# Altium PCB EVB-NORA-B20.PcbDoc (part 4 of 6) (continued)
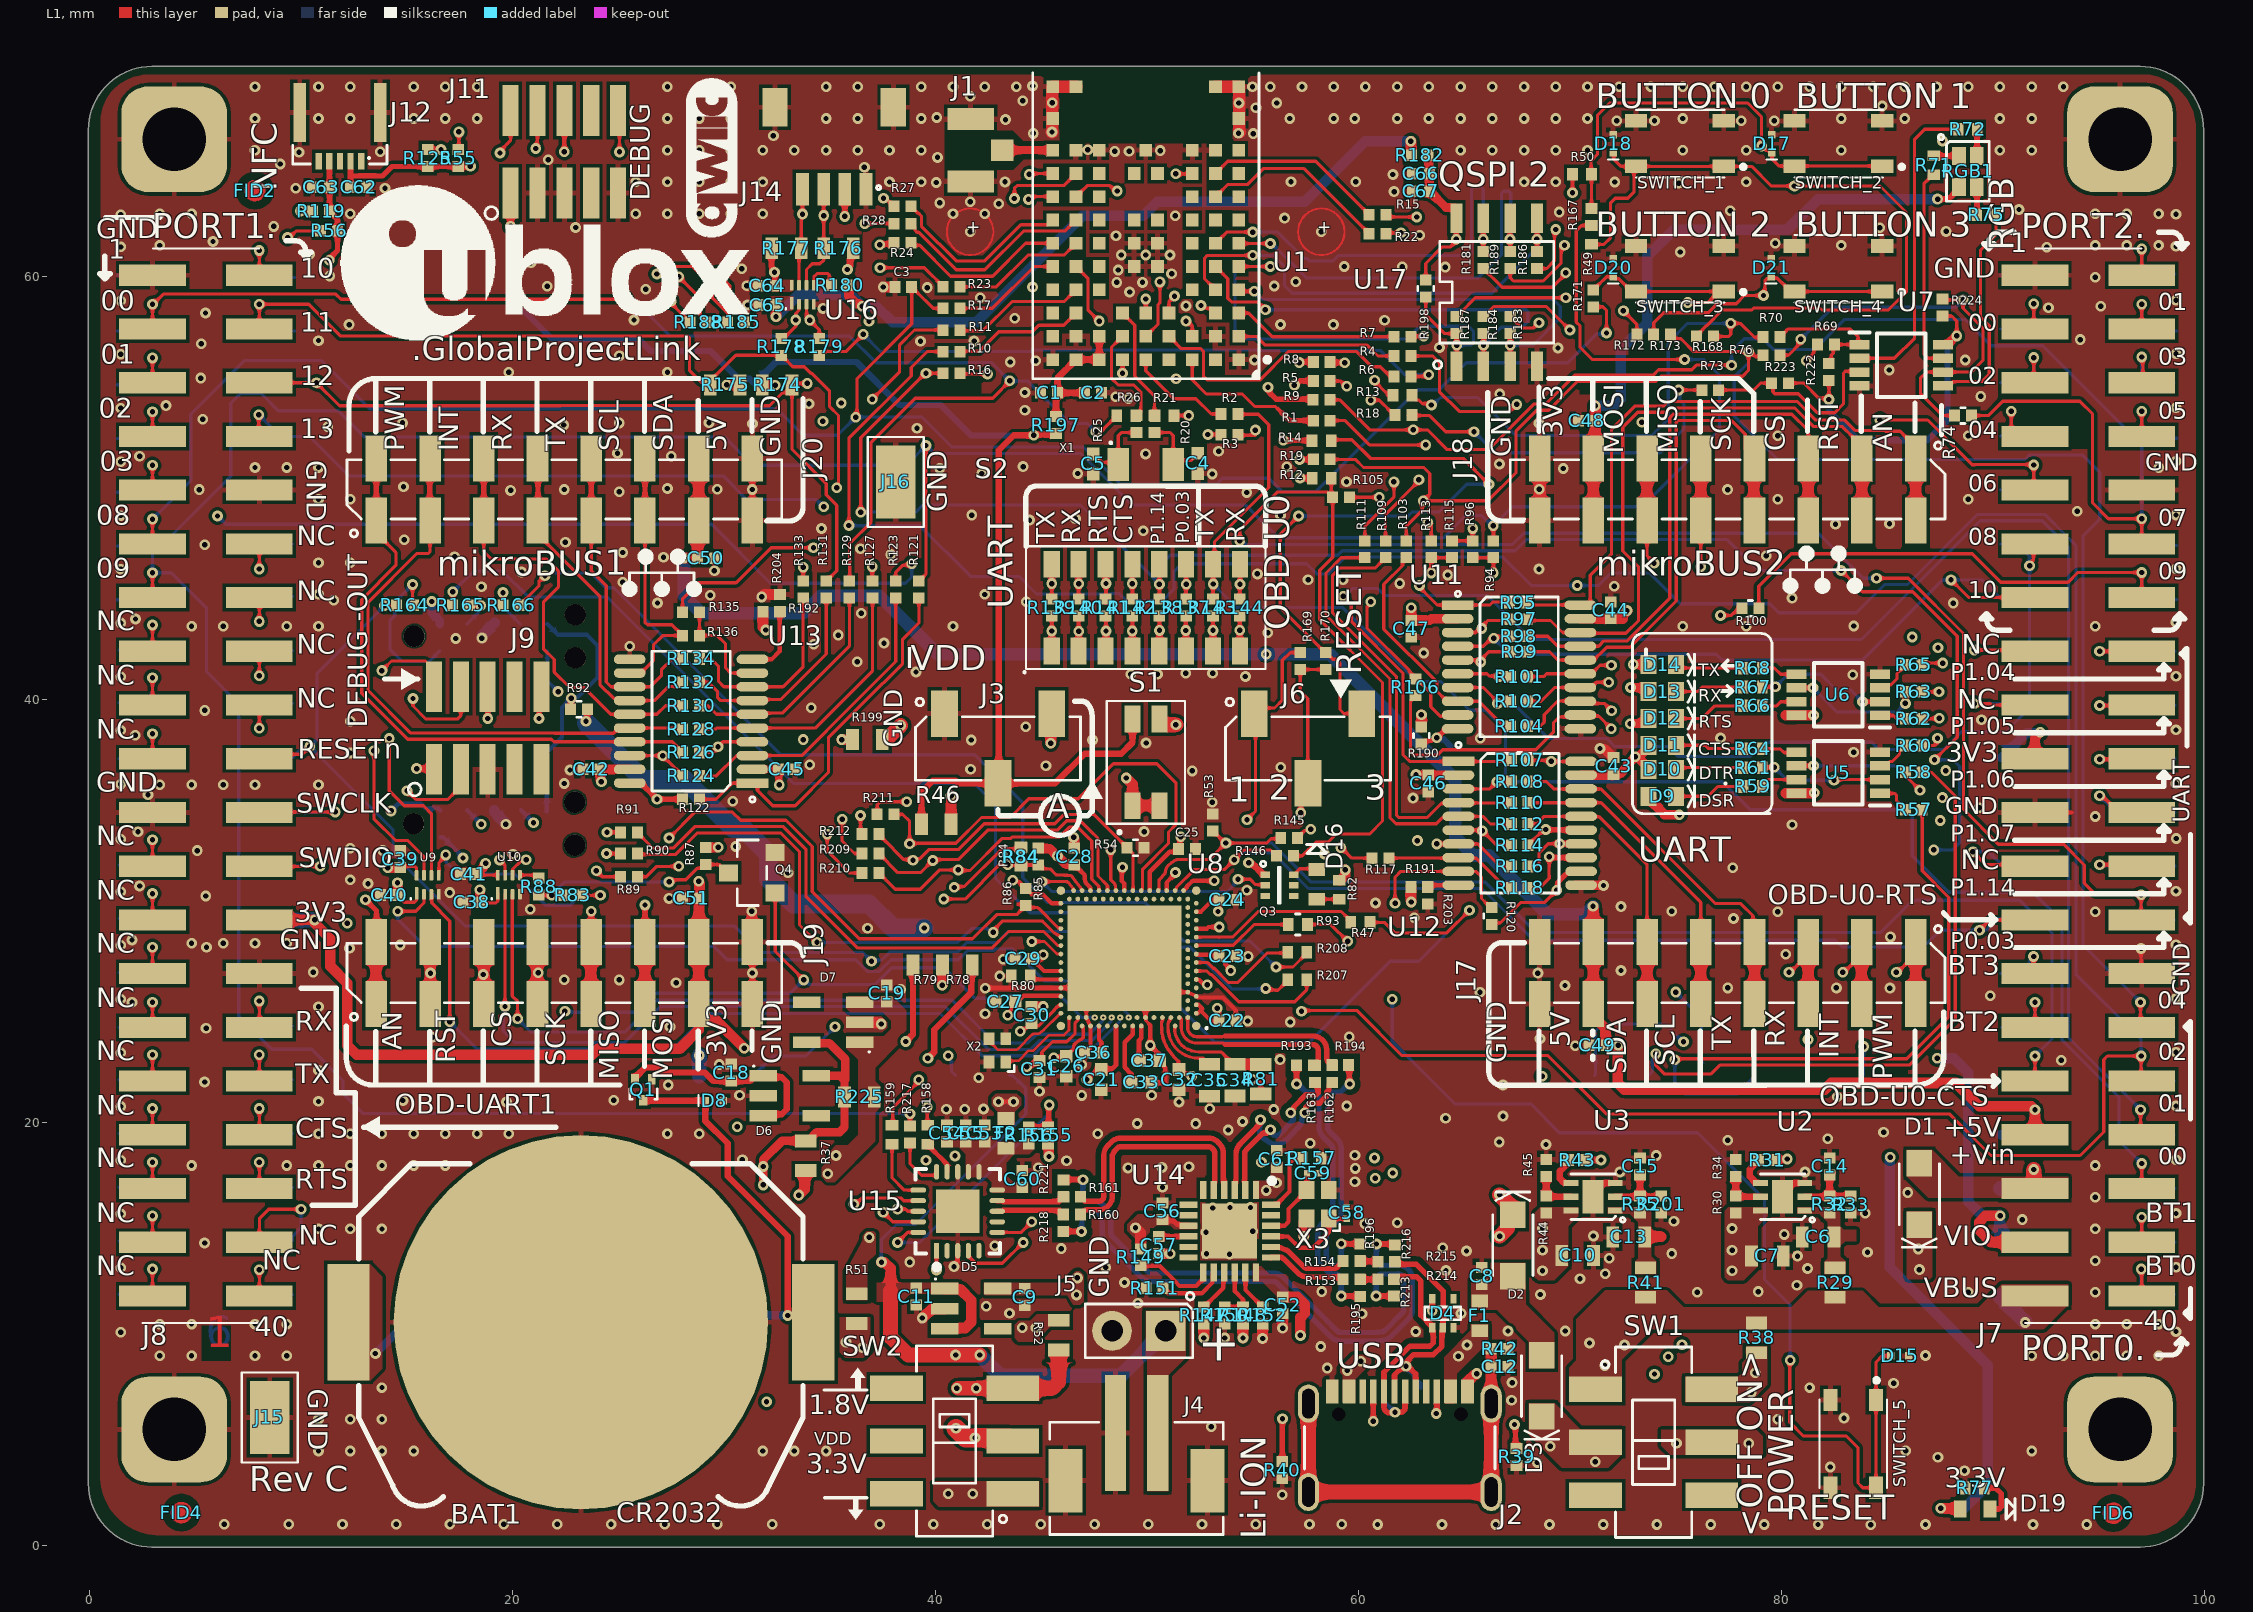
[diagram p0: L1 view]
## Nets (pads, with @x,y where several pads share a name; then routed paths per layer and width w, separated by ;. In a path a pad name is that pad's centre, name@x,y a point inside that pad or via, vN(x,y) a via of type N, cw(c..) or ccw(c..) an arc to the next point about the centre after c; other vN are vias at no path point) (continued)
nRESET-F: D15.1 J6.2 R169.2 R170.2 SWITCH_5.1 SWITCH_5.2 | length 66.6
  L1 w0.15: v1(57.26,34.66) 57.26,35.697 J6.2@57.607,36.044 57.596,36.055 57.596,40.06 57.24,40.416 R169.2@57.24,41.43 R170.2@58.447,41.43 ; v1(80.408,8.777) 80.38,8.749 80.38,5.833 81.023,5.19 83.06,5.19 83.61,4.64 83.61,2.97 83.837,2.743 SWITCH_5.2@84.46,2.743 SWITCH_5.1@84.46,6.893 84.46,8.686 84.755,8.981 D15.1@85.16,8.981
  L4 w0.15: v1(57.26,34.66) 56.934,34.334 56.934,29.504 60.597,25.84 v1(61.59,25.84)
  L6 w0.15: v1(61.59,25.84) 61.59,23.856 64.556,20.89 68.133,20.89 69.493,19.53 76.02,19.53 79.194,16.356 79.194,12.591 80.4,11.385 v1@80.4,8.795
OB_H_USB_n: R153.2 R195.1 R214.1 | length 0.8
  L1 w0.255: R153.2@60.067,12.597 60.069,12.595 60.903,12.595 R214.1@60.905,12.597
OB_H_USB_p: R154.2 R196.1 R215.1 | length 0.9
  L1 w0.255: R196.1@60.071,13.475 60.093,13.452 60.883,13.452 R215.1@60.905,13.43
OBD_n: R163.1 R193.1 U8.B4 | length 8.4
  L1 w0.15: 53.569,23.766 cw(c53.569,23.616) 53.675,23.722
  L1 w0.153: U8.B4@51.523,24.976 cw(c51.523,24.885) 51.614,24.885 51.614,24.502 ccw(c52.35,24.502) 52.35,23.766 53.569,23.766
  L1 w0.255: 53.696,23.698 57.826,23.698 cw(c57.826,23.443) 58.081,23.451 58.095,23.03 cw(c57.84,23.022) 58.095,23.026 ; R163.1@57.934,22.698 58.081,22.83 58.094,23.003 ccw(c57.84,23.022) 58.095,23.025
OBD_p: R162.1 R194.1 U8.B2 | length 8.5
  L1 w0.15: 53.569,24.069 ccw(c53.569,24.219) 53.675,24.113
  L1 w0.153: U8.B2@51.917,24.976 51.917,24.502 ccw(c52.35,24.502) 52.35,24.069 53.569,24.069
  L1 w0.2: U8.B2@51.917,24.976 U8.B2@51.923,24.976
  L1 w0.255: 53.696,24.103 cw(c53.696,23.698) 53.698,24.103 57.826,24.103 cw(c57.826,23.443) 58.486,23.465 58.5,23.043 cw(c57.84,23.022) 58.5,23.032 cw(c58.095,23.025) 58.5,23.03 ; 58.5,23.029 ccw(c58.755,23.032) 58.599,22.83 R162.1@58.747,22.698
OBD_USB_n: R193.2 R195.2 | length 13.6
  L1 w0.255: v1(57.066,21.83) R193.2@57.066,22.724 ; v1(59.177,11.81) 59.185,11.801 60.062,11.801 R195.2@60.071,11.792
  L6 w0.255: v1(57.066,21.83) 57.134,21.83 57.511,21.453 57.871,21.453 cw(c57.871,21.198) 58.126,21.198 58.126,19.796 ccw(c58.786,19.796) 58.319,19.329 58.438,19.211 ; 58.382,15.339 58.263,15.221 ccw(c58.73,14.754) 58.07,14.754 58.07,13.69 ccw(c58.73,13.691) 58.264,13.224 58.455,13.033 ccw(c58.922,13.5) 58.919,12.84 ccw(c58.922,13.245) 58.922,12.84 cw(c58.922,12.585) 59.177,12.585 v1(59.177,11.81) ; 58.382,15.34 58.578,15.536 ; 58.438,19.211 58.578,19.071 ; 58.579,15.536 58.697,15.655 ccw(c58.517,15.835) 58.772,15.835 58.772,18.772 ccw(c58.517,18.772) 58.696,18.953 58.579,19.07
OBD_USB_p: R194.2 R196.2 | length 13
  L1 w0.255: v1(59.177,14.275) R196.2@60.071,14.275 ; R194.2@59.531,22.733 59.556,22.708 59.556,21.855 v1(59.581,21.83)
  L6 w0.255: 58.921,13.245 cw(c58.922,13.5) 58.742,13.319 58.55,13.511 cw(c58.73,13.691) 58.475,13.69 58.475,14.754 cw(c58.73,14.754) 58.55,14.935 58.667,15.052 ccw(c58.382,15.34) 58.668,15.053 58.865,15.25 ccw(c58.578,15.536) 58.866,15.251 58.983,15.368 ccw(c58.517,15.835) 59.177,15.835 59.177,18.772 ccw(c58.517,18.772) 58.983,19.238 58.866,19.356 ccw(c58.578,19.071) 58.865,19.357 58.724,19.497 ccw(c58.438,19.211) 58.723,19.498 58.606,19.616 cw(c58.786,19.796) 58.531,19.796 58.531,21.198 cw(c58.786,21.198) 58.786,21.453 59.136,21.453 59.513,21.83 v1(59.581,21.83) ; 58.922,13.245 ccw(c58.922,13.5) 59.177,13.5 v1(59.177,14.275)
OE: Q4.3 R83.2 R87.1 R88.1 | length 10.4
  L1 w0.15: R88.1@21.24,30.767 21.248,30.759 v1(21.844,30.759) 22.432,30.759 R83.2@22.439,30.752 ; v1(27.397,31.388) 27.495,31.486 28.189,31.486 28.731,32.029 28.949,32.029 R87.1@29.134,32.214 29.769,32.214 Q4.3@30.165,31.818 ; Q4.3@30.152,31.818 Q4.3@30.165,31.818 ; Q4.3@30.215,31.818 Q4.3@30.165,31.818
  L6 w0.15: v1(21.844,30.759) 22.473,31.388 v1(27.397,31.388)
P0.00/D_TX: J7.36 R2.1 R108.2 R143.2 S2.10 TP80.1 U12.3 | length 80.1
  L1 w0.15: R143.2@53.111,44.774 v1@53.111,45.509 ; S2.10@53.111,46.406 53.178,46.473 53.178,47.458 55.753,50.033 55.753,53.003 55.257,53.499 R2.1@54.321,53.499 ; v1@53.12,45.459 v1(53.12,45.47) S2.10@53.12,46.403 ; U12.3@64.718,35.784 66.199,35.784 66.536,36.122 v1(66.539,36.122) 67.206,36.122 R108.2@67.218,36.133 ; J7.36@97.025,16.918 v1(97.025,18.076)
  L6 w0.15: v1@53.111,45.47 54.225,44.356 59.252,44.356 62.747,40.861 63.884,40.861 65.241,39.504 66.008,39.504 66.944,38.569 66.944,36.526 v1(66.539,36.122) 77.191,36.122 78.517,34.796 85.869,34.796 86.178,34.486 86.178,32.618 87.896,30.9 91.879,30.9 93.26,29.519 93.26,23.903 95.95,21.213 95.95,19.151 v1(97.025,18.076) 97.025,17.39 97.525,16.89 TP80.1@98.599,16.89
P0.01/D_RX: J7.34 R3.1 R107.2 R144.2 S2.9 TP78.1 U12.1 | length 99.6
  L1 w0.15: R3.1@54.295,52.531 54.322,52.505 55.113,52.505 55.113,52.744 v1(55.119,52.75) ; R144.2@54.381,44.759 v1@54.381,45.494 ; v1(54.39,45.459) S2.9@54.39,46.403 ; v1(59.271,44.886) 59.271,44.851 59.65,44.473 59.65,43.706 62.09,41.266 62.09,37.41 62.416,37.084 U12.1@64.718,37.084 67.165,37.084 R107.2@67.218,37.138 ; v1(96.971,20.617) 96.971,19.484 J7.34@97.025,19.43
  L3 w0.15: v1(54.39,45.459) 54.39,46.42 55.43,47.46 55.43,51.316 55.1,51.646 55.1,52.731 v1(55.119,52.75)
  L4 w0.15: v1@54.39,45.45 54.399,45.45 54.964,44.886 v1(59.271,44.886)
  L6 w0.15: v1(59.271,44.886) 59.323,44.886 59.689,45.252 60.896,45.252 61.222,44.926 66.081,44.926 68.157,42.85 83.774,42.85 89.385,48.461 92.324,48.461 93.56,47.225 93.56,24.028 v1(96.971,20.617) 96.971,19.931 97.471,19.431 TP78.1@98.545,19.431
P0.02/SW2: J7.32 R10.1 R50.1 R133.2 R145.2 R158.2 R172.2 TP76.1 | length 209.5
  L1 w0.15: R133.2@33.735,45.605 v1(33.735,46.27) ; v1(35.9,48.24) 35.9,52.361 38.843,55.304 38.843,55.709 39.594,56.46 R10.1@40.346,56.46 ; v1(39.606,20.746) 39.606,19.914 R158.2@39.63,19.89 ; R145.2@57.117,33.465 57.117,33.48 57.448,33.812 57.662,33.812 v1(57.73,33.88) ; v1(57.298,25.276) 57.333,25.311 59.907,25.311 62.036,23.181 68.945,23.181 71.708,20.418 87.932,20.418 89.9,18.45 94.11,18.45 95.225,19.565 95.225,22.98 95.402,23.157 v1(96.996,23.157) J7.32@96.996,21.999 ; v1(70.11,63.966) R50.1@70.11,64.84 ; v1(72.517,58.392) 73.15,57.759 R172.2@73.15,57.269
  L3 w0.15: v1(33.735,46.27) 34.434,46.27 35.9,47.736 v1(35.9,48.24) ; v1(57.298,25.276) 57.298,33.528 57.65,33.88 v1(57.73,33.88) ; v1@70.16,63.958 72.517,61.602 v1(72.517,58.392) 72.517,56.86 70.336,54.679 v1@70.336,45.424
  L4 w0.15: v1(39.606,20.746) 39.669,20.684 39.669,20.431 39.934,20.165 46.542,20.165 47.923,21.546 47.923,22.207 49.836,24.12 49.935,24.12 49.952,24.137 56.933,24.137 57.298,24.502 v1(57.298,25.276)
  L6 w0.15: v1@35.91,48.23 39.257,48.23 41.657,45.83 43.939,45.83 44.77,45 48.239,45 48.255,45.016 48.689,45.016 49.013,44.692 50.737,44.692 51.262,45.217 51.262,46.06 51.631,46.429 57.535,46.429 58.014,45.949 58.561,45.949 59.354,46.742 66.816,46.742 68.154,45.404 v1(70.336,45.404) 71.341,45.404 71.934,45.997 73.742,45.997 75.205,44.534 79.434,44.534 79.854,44.115 83.533,44.115 84.868,45.45 85.95,45.45 89.261,48.761 92.448,48.761 93.446,47.763 93.91,47.299 93.91,27.023 96.996,23.937 v1(96.996,23.157) 96.996,22.471 97.496,21.971 TP76.1@98.57,21.971
P0.03/WAKE_UP: J7.26 R12.2 R105.2 R137.2 R146.2 S2.11 TP70.1 | length 93
  L1 w0.15: R137.2@51.829,44.756 v1@51.829,45.491 ; v1(51.85,45.459) S2.11@51.85,46.403 ; v1(54.381,47.521) 54.381,48.038 56.17,49.827 58.501,49.827 58.557,49.771 58.589,49.771 58.707,49.652 R12.2@58.707,50.471 58.707,50.521 R12.2@58.882,50.696 ; R146.2@56.912,32.619 57.331,32.619 57.986,33.275 58.557,33.275 58.932,33.649 59.338,33.649 ; R105.2@58.774,49.571 58.774,46.735 58.157,46.118 58.157,43.787 61.13,40.814 61.13,34.267 60.512,33.649 59.34,33.649 ; v1(84.487,45.747) 85.982,45.747 88.598,43.13 88.598,42.881 88.6,42.879 88.6,38.111 88.598,38.109 88.598,34.819 90.247,33.17 93.328,33.17 94.31,32.188 94.31,31.33 94.81,30.83 96.943,30.83 v1@97.025,30.748 ; v1(96.996,30.777) 96.996,29.619 J7.26@97.025,29.59
  L3 w0.15: v1(51.85,45.459) 51.85,46.219 53.083,47.453 54.313,47.453 v1(54.381,47.521)
  L6 w0.15: v1(54.381,47.521) 54.469,47.521 54.648,47.342 67.269,47.342 67.798,47.871 81.727,47.871 83.851,45.747 v1(84.487,45.747) ; v1(96.996,30.777) 96.996,30.091 97.496,29.591 TP70.1@98.57,29.591
P0.04/LED_GREEN: J7.30 R19.2 R76.2 R103.2 R135.2 R173.2 TP73.1 | length 124.2
  L1 w0.15: R135.2@28.036,44.14 28.036,44.782 28.785,45.531 30.566,45.531 32.223,47.188 v1(34.223,47.188) ; R19.2@58.657,51.365 59.847,51.365 60.231,50.98 63.076,50.98 63.36,50.696 63.36,49.71 v1(63.06,49.41) ; R103.2@62.252,47.514 62.252,48.205 62.992,48.945 62.992,49.342 v1(63.06,49.41) ; R173.2@74.75,57.269 74.75,57.254 74.935,57.069 75.242,57.069 75.85,56.461 v1(78.431,56.461) ; R76.2@79.124,56.294 79.061,56.232 78.757,56.232 78.528,56.461 v1(78.431,56.461) ; J7.30@96.968,24.539 v1(96.968,25.697) ; v1(63.06,49.41) 66.112,49.41 67.443,50.741 67.443,52.709 68.422,53.688 68.982,53.688 70.341,55.046 74.048,55.046 74.301,55.299 78.154,55.299 78.431,55.575 v1(78.431,56.461)
  L4 w0.15: v1(34.223,47.188) 35.267,47.188 35.7,47.62 48.788,47.62 50.038,48.87 53.982,48.87 55.43,47.422 60.518,47.422 62.506,49.41 v1(63.06,49.41)
  L6 w0.15: v1(78.431,56.461) 78.431,55.94 77.762,55.27 77.762,53.405 79.808,51.359 91.506,51.359 91.723,51.576 94.217,51.576 95.043,50.749 95.043,48.533 94.24,47.73 94.24,28.425 v1(96.968,25.697) 96.968,25.011 97.468,24.511 TP73.1@98.542,24.511
P1.00: J8.3 R26.1 R129.2 TP86.1 | length 67.4
  L1 w0.15: J8.3@2.975,57.53 v1(2.975,58.701) 3.009,58.701 3.488,59.18 11.641,59.18 11.886,58.934 25.335,58.934 v1(25.346,58.945) ; R129.2@35.924,45.605 35.94,45.621 35.94,47.388 36.95,48.398 36.95,52.179 39.027,54.256 42.699,54.256 v1@43.564,55.121 ; v1@47.667,52.698 47.833,52.698 R26.1@48.568,53.433
  L3 w0.15: v1@47.581,52.579 v1(47.581,52.665)
  L6 w0.15: TP86.1@1.305,57.431 2.407,57.431 2.975,57.999 v1(2.975,58.701) ; v1(25.346,58.945) 25.36,58.931 25.709,58.931 27.447,57.193 35.929,57.193 37.191,55.931 42.645,55.931 43.51,55.067 44.359,55.067 46.364,53.062 47.184,53.062 v1(47.581,52.665)
  other v1: 43.5,55.076
P1.01: J8.5 R21.1 R127.2 TP89.1 | length 73.2
  L1 w0.15: J8.5@2.975,54.959 J8.5@2.975,54.99 v1(2.975,56.161) ; v1(37.004,46.293) 37.004,45.619 R127.2@37.018,45.605 ; R21.1@51.271,53.433 v1(51.968,53.435) v1(51.968,53.435)
  L3 w0.15: v1(36.85,57.889) 37.23,57.509 37.23,56.188 36.503,55.461 36.503,53.755 37.21,53.048 37.21,46.56 37.004,46.354 v1(37.004,46.293)
  L4 w0.15: v1(2.975,56.161) 6.887,56.161 9.586,58.86 12.43,58.86 13.693,60.123 25.575,60.123 26.308,60.855 33.341,60.855 36.307,57.889 v1(36.85,57.889) 42.926,57.889 43.763,58.726 47.691,58.726 50.563,55.855 50.563,54.32 51.448,53.435 v1(51.968,53.435)
  L6 w0.15: TP89.1@1.305,54.891 2.407,54.891 2.975,55.459 v1(2.975,56.161)
P1.02: J8.7 R55.1 TP91.1 | length 28.8
  L1 w0.15: J8.7@2.975,52.419 J8.7@2.975,52.45 v1(2.975,53.621) ; R55.1@17.429,66.009 17.461,66.04 v1(17.461,66.848)
  L3 w0.15: v1(2.975,53.621) 2.38,54.216 2.38,59.367 7.669,64.657 9.969,64.657 12.16,66.848 v1(17.461,66.848)
  L6 w0.15: TP91.1@1.305,52.351 2.407,52.351 2.975,52.919 v1(2.975,53.621)
P1.02/NFC1: C62.2 J12.2 R55.2 R125.2 U1.C5 | length 44.6
  L1 w0.15: U1.C5@49.936,58.281 v1(49.936,58.945)
  L1 w0.25: C62.2@12.325,64.223 12.325,64.767 12.745,64.767 12.751,64.773 13.499,64.773 13.505,64.767 13.851,64.767 14.293,65.209 R125.2@15.987,65.209 R55.2@17.429,65.209 17.438,65.217 18.012,65.217 v1@18.02,65.209 ; 12.336,64.767 J12.2@12.336,65.459
  L4 w0.15: v1(18.004,65.225) 17.935,65.157 17.935,64.767 17.845,64.677 17.845,62.784 18.965,61.665 28.916,61.665 29.305,62.053 36.138,62.053 37.165,61.027 37.704,61.027 38.743,59.988 47.429,59.988 48.802,58.615 49.606,58.615 v1(49.936,58.945)
P1.03: J8.9 R56.1 TP93.1 | length 20.1
  L1 w0.15: J8.9@2.975,49.879 J8.9@2.975,49.91 v1(2.975,51.081) ; v1(9.361,61.855) 9.458,61.855 9.758,62.155 10.896,62.155 R56.1@10.92,62.179
  L3 w0.15: v1(2.975,51.081) 4.229,52.335 4.229,54.375 4.223,54.381 4.223,58.685 7.393,61.855 v1(9.361,61.855)
  L6 w0.15: TP93.1@1.305,49.811 2.407,49.811 2.975,50.379 v1(2.975,51.081)
P1.03/NFC2: C63.1 J12.4 R56.2 R119.2 U1.B5 | length 50.4
  L1 w0.15: U1.B5@49.936,57.181 50.511,57.756 50.511,58.674 50.603,58.766 v1(50.603,59.756)
  L1 w0.25: J12.4@11.336,65.459 11.336,64.234 C63.1@11.347,64.223 R119.2@11.347,63.236 ; v1@11.341,60.79 v1(11.336,60.785) 11.336,60.854 11.72,61.238 R56.2@11.72,62.179 11.72,62.714 11.574,62.86 11.559,62.86 11.347,63.072 R119.2@11.347,63.087
  L4 w0.15: v1(11.336,60.785) 11.752,61.201 35.648,61.201 36.572,60.277 36.572,59.782 37.848,58.506 43.119,58.506 43.639,59.026 47.816,59.026 48.608,58.234 50.187,58.234 50.603,58.65 v1(50.603,59.756)
P1.04/URT1_TX: J7.16 R28.2 R139.2 S2.16 TP60.1 | length 93.1
  L1 w0.15: v1(36.647,62.513) 38.031,62.513 R28.2@38.043,62.501 ; R139.2@45.491,44.756 v1(45.491,45.491) ; v1(95.031,42.29) J7.16@97.025,42.29
  L1 w0.25: v1@45.481,45.491 S2.16@45.481,46.407 ; R139.2@45.491,44.711 R139.2@45.491,44.756
  L3 w0.15: v1(36.647,62.513) 36.647,61.892 36.584,61.829 36.584,59.346 37.605,58.325 37.605,55.773 41.05,52.328 41.05,50.98 45.491,46.539 v1(45.491,45.491) ; v1(86.178,42.966) 86.194,42.95 94.371,42.95 v1(95.031,42.29)
  L4 w0.15: v1(45.491,45.491) 46.454,46.454 59.51,46.454 63.641,42.323 63.641,42.076 66.371,39.346 66.862,39.346 68.51,39.346 74.984,32.872 82.058,32.872 84.94,35.754 84.94,40.348 86.178,41.586 v1(86.178,42.966)
  L6 w0.15: v1(95.031,42.29) TP60.1@98.599,42.29
P1.05/URT1_RX: J7.18 R27.2 R140.2 S2.15 TP62.1 | length 93.3
  L1 w0.15: v1@37.533,63.726 37.613,63.726 37.8,63.539 37.858,63.539 38.043,63.354 R27.2@38.043,63.339 ; R140.2@46.761,44.74 v1@46.761,45.476 ; v1(95.031,39.726) 97.001,39.726 J7.18@97.025,39.75
  L1 w0.25: v1@46.753,45.494 S2.15@46.753,46.438 ; R140.2@46.761,44.711 R140.2@46.761,44.756
  L3 w0.15: v1(37.533,63.716) 37.165,63.348 37.165,61.985 36.884,61.704 36.884,59.47 37.905,58.449 37.905,55.897 39.115,54.687 46.761,47.041 v1(46.761,45.479) ; v1(87.392,42.457) 88.327,42.457 91.057,39.726 v1(95.031,39.726)
  L4 w0.15: v1(46.761,45.479) 47.384,46.101 49.637,46.101 49.936,45.802 49.936,44.832 50.407,44.361 56.493,44.361 62.104,38.75 68.538,38.75 74.717,32.572 82.235,32.572 85.27,35.607 85.27,40.08 87.331,42.141 87.331,42.395 v1(87.392,42.457)
  L6 w0.15: v1(95.031,39.726) 95.043,39.739 98.587,39.739 TP62.1@98.599,39.75
P1.06/URT1_RTS: J7.20 R23.1 R141.2 S2.14 TP64.1 | length 87.9
  L1 w0.15: v1(37.373,60.428) 39.459,60.428 40.346,59.541 R23.1@40.346,59.526 ; R141.2@48.055,44.759 v1(48.055,45.494) ; v1(95.031,37.187) 97.002,37.187 J7.20@97.025,37.21
  L1 w0.25: R141.2@48.031,44.604 R141.2@48.031,44.756 ; v1@48.035,45.485 S2.14@48.035,46.429
  L3 w0.15: v1(37.373,60.428) 40.606,57.195 40.606,53.697 48.055,46.247 v1(48.055,45.494) ; v1(87.497,34.29) 87.497,34.332 87.018,34.811 87.018,35.731 87.314,36.027 93.872,36.027 v1(95.031,37.187)
  L4 w0.15: v1(48.055,45.494) 48.031,45.47 48.031,44.161 48.431,43.761 56.019,43.761 62.67,37.11 67.188,37.11 73.08,31.218 84.521,31.218 87.497,34.194 v1(87.497,34.29)
  L6 w0.15: v1(95.031,37.187) 95.043,37.199 98.587,37.199 TP64.1@98.599,37.21
P1.07/URT1_CTS: J7.22 R24.1 R142.2 S2.13 TP65.1 | length 84.6
  L1 w0.15: v1@49.293,45.488 S2.13@49.293,46.431 ; R142.2@49.301,44.724 v1@49.301,45.46 ; v1(95.031,35.465) 95.099,35.396 95.224,35.396 95.95,34.67 J7.22@97.025,34.67
  L1 w0.25: v1@37.373,61.526 37.401,61.554 37.927,61.554 38.009,61.636 R24.1@38.043,61.602 ; R142.2@49.301,44.711 R142.2@49.301,44.756
  L3 w0.15: v1(37.363,61.506) 39.223,61.506 41.146,59.583 41.146,54.849 49.301,46.693 v1(49.301,45.491) ; v1@87.558,35.465 87.581,35.442 87.843,35.442 87.866,35.465 v1(95.031,35.465)
  L4 w0.15: v1(49.301,45.491) 49.301,44.343 49.583,44.061 56.369,44.061 63.02,37.41 67.312,37.41 73.204,31.518 83.818,31.518 87.599,35.299 v1(87.599,35.374)
  L6 w0.15: v1(95.031,35.465) 95.826,34.67 TP65.1@98.599,34.67
P1.08/EXTREF: C3.2 J8.11 R17.1 R171.2 TP94.1 | length 95
  L1 w0.15: J8.11@2.975,47.339 J8.11@2.975,47.37 v1(2.975,48.541) ; v1(36.219,53.362) 36.285,53.428 36.285,55.19 38.869,57.774 C3.2@38.869,59.514 ; C3.2@38.877,59.505 38.877,59.49 39.054,59.314 39.069,59.314 39.879,58.504 R17.1@40.346,58.504 ; R171.2@71.095,58.579 71.548,58.579 71.716,58.411 v1(71.716,57.342)
  L6 w0.15: TP94.1@1.305,47.271 2.407,47.271 2.975,47.839 v1(2.975,48.541) 4.78,50.346 4.78,53.496 7.331,56.047 10.946,56.047 11.844,55.148 13.236,53.757 32.496,53.757 33.748,52.505 35.362,52.505 v1(36.219,53.362) 39.355,53.362 40.773,51.944 46.992,51.944 48.74,50.196 53.281,50.196 53.556,50.47 55.757,50.47 56.394,49.833 57.973,49.833 62.798,54.658 63.814,54.658 65.09,55.934 69.882,55.934 71.237,57.288 71.662,57.288 v1(71.716,57.342)
P1.09/SW1: J8.13 R11.1 R49.1 R94.2 R121.2 R167.2 R217.1 TP97.1 | length 180.2
  L1 w0.15: J8.13@2.975,44.799 J8.13@2.975,44.83 v1(2.975,46.001) ; v1(37.004,54.213) 38.297,55.506 38.297,56.778 39.002,57.483 40.331,57.483 R11.1@40.346,57.468 ; R217.1@38.79,19.84 v1(38.79,20.431) ; R121.2@39.206,45.605 39.221,45.605 39.406,45.79 39.406,45.805 39.546,45.944 v1(39.546,52.022) ; R94.2@66.369,47.514 v1(66.369,48.23) ; R167.2@71.008,62.426 70.544,62.426 70.29,62.172 70.29,57.857 70.467,57.68 70.467,56.661 71.04,56.087 v1(75.41,56.087)
  L3 w0.15: v1(37.004,54.213) 39.181,52.035 39.533,52.035 v1(39.546,52.022)
  L4 w0.15: v1(38.79,20.431) v1@38.816,20.406
  L6 w0.15: TP97.1@1.305,44.731 2.407,44.731 2.975,45.299 v1(2.975,46.001) ; v1(38.79,20.431) 12.929,20.431 11.973,21.387 11.973,22 10.5,23.473 8.612,23.473 7.05,25.034 7.05,39.797 5.529,41.317 5.529,44.326 3.855,46.001 v1(2.975,46.001) ; v1(75.41,56.087) 76.314,56.087 77.063,55.338 77.063,52.779 73.408,49.124 67.263,49.124 v1(66.369,48.23) 66.307,48.23 65.828,48.709 65.066,48.709 64.017,47.66 56.209,47.66 54.667,49.201 49.31,49.201 46.868,51.644 39.924,51.644 v1(39.546,52.022) 38.613,51.09 31.343,51.09 30.004,52.429 12.986,52.429 11.749,53.666 8.925,53.666 8.101,54.49 7.142,54.49 6.673,54.021 6.673,50.564 2.975,46.866 v1(2.975,46.001)
P1.10/LED_BLUE: J8.2 R18.2 R73.2 R123.2 TP85.1 | length 101.5
  L1 w0.15: J8.2@8.025,60.039 J8.2@8.025,60.07 v1(8.025,61.241) ; R123.2@38.112,45.605 38.112,46.021 38.453,46.362 38.8,46.362 v1(38.869,46.43) ; R18.2@62.344,53.436 63.353,53.436 64.115,52.674 v1(65.457,52.674) ; v1(75.132,54.647) R73.2@76.13,54.647
  L3 w0.15: v1(6.046,48.689) 6.046,59.262 v1(8.025,61.241)
  L4 w0.15: v1(38.869,46.43) 38.883,46.43 39.473,47.02 62.703,47.02 65.468,49.785 65.468,52.662 v1(65.457,52.674)
  L6 w0.15: v1(6.046,48.689) 6.441,48.295 29.409,48.295 32.193,45.51 38.576,45.51 38.869,45.803 v1(38.869,46.43) ; v1(8.025,61.241) 8.025,60.539 8.593,59.971 TP85.1@9.695,59.971 ; v1(65.457,52.674) 66.455,51.675 74.255,51.675 75.384,52.805 75.384,53.964 75.18,54.168 75.18,54.598 v1(75.132,54.647)
P1.11/I2C_SCL: J8.4 R1.1 R109.2 R117.2 R175.1 R178.2 TP87.1 | length 100.9
  L1 w0.15: J8.4@8.025,57.53 v1(8.025,58.701) 10.367,58.701 11.875,57.193 28.28,57.193 28.367,57.105 28.367,55.559 28.913,55.013 29.218,55.013 R175.1@29.35,54.881 29.35,55.081 30.556,56.287 R178.2@32.705,56.287 32.72,56.287 32.905,56.102 32.905,56.087 33.249,55.743 33.793,55.743 34.1,55.436 34.134,55.436 34.985,54.585 34.985,53.861 35.406,53.44 35.406,50.287 35.395,50.276 35.395,50.088 v1(35.327,50.02) ; R1.1@58.684,53.199 59.358,53.199 60.509,52.048 v1(63.174,52.048) ; v1@59.204,32.988 59.68,32.512 R117.2@60.636,32.512 ; R109.2@61.273,47.514 61.273,48.764 62.85,50.341 v1(62.85,50.398)
  L3 w0.15: v1(59.157,33.01) 59.225,33.078 59.408,33.078 59.63,33.3 59.63,42.34 61.06,43.77 61.06,48.608 v1(62.85,50.398) 63.174,50.723 v1(63.174,52.048)
  L4 w0.15: v1(35.327,50.02) 35.378,50.071 53.63,50.071 55.678,48.022 58.171,48.022 59.899,49.75 59.899,50.099 61.848,52.048 v1(63.174,52.048)
  L6 w0.15: v1(8.025,58.701) 8.025,57.999 8.593,57.431 TP87.1@9.695,57.431
P1.12/I2C_SDA: J8.6 R6.1 R111.2 R131.2 R174.1 R179.2 TP90.1 | length 82.1
  L1 w0.15: J8.6@8.025,54.99 v1(10.725,54.99) 11.813,53.901 22.255,53.901 22.26,53.907 28.996,53.907 29.002,53.901 32.144,53.901 32.772,54.529 32.984,54.529 33.209,54.754 R174.1@33.209,54.881 ; v1(33.936,54.957) 33.285,54.957 R174.1@33.209,54.881 ; R179.2@34.567,56.356 34.683,56.472 35.775,56.472 v1(36.58,57.277) ; R131.2@34.83,45.605 35.327,46.103 35.327,49.186 34.83,49.684 34.83,50.22 33.209,51.841 R174.1@33.209,54.881 ; R111.2@60.294,47.514 60.294,48.21 61.667,49.583 v1(61.667,50.298) ; R6.1@62.475,55.284 63.14,55.284 63.222,55.366 v1(63.319,55.366)
  L3 w0.15: v1(61.667,50.298) 62.071,50.701 62.071,53.091 62.961,53.981 62.961,54.135 63.44,54.614 63.44,55.148 63.319,55.269 v1(63.319,55.366)
  L4 w0.15: v1(33.936,54.957) 36.187,57.209 36.511,57.209 v1(36.58,57.277)
  L6 w0.15: TP90.1@9.546,54.99 v1@10.724,54.99 ; v1(36.58,57.277) 37.39,56.467 44.491,56.467 44.566,56.542 55.272,56.542 55.299,56.515 61.024,56.515 62.173,55.366 v1(63.319,55.366)
P1.13/LED_RED: J8.8 R13.2 R70.2 R95.2 R168.2 TP92.1 U11.1 | length 103.5
  L1 w0.15: v1(7.996,53.477) 7.996,52.447 J8.8@8.025,52.419 ; R13.2@62.616,54.399 62.616,54.256 62.698,54.174 62.841,54.174 63.009,54.006 63.371,54.006 v1(63.44,53.937) ; v1@62.9,45.39 62.9,45.288 63.71,44.478 U11.1@64.683,44.478 66.208,44.478 66.359,44.629 67.107,44.629 R95.2@67.139,44.597 ; R168.2@76.783,57.181 77.507,57.181 77.595,57.269 v1(77.595,57.795) 78.051,57.795 78.715,57.131 79.103,57.131 R70.2@79.124,57.152
  L3 w0.15: v1(62.872,45.405) 62.872,46.685 64.7,48.512 64.7,52.65 63.44,53.911 v1(63.44,53.937)
  L4 w0.15: v1(34.706,49.13) 35.117,49.541 44.245,49.541 44.475,49.771 53.506,49.771 55.554,47.722 58.296,47.722 60.199,49.625 60.199,49.975 61.487,51.263 63.693,51.263 64.326,51.896 64.326,53.414 63.81,53.93 63.447,53.93 v1(63.44,53.937)
  L6 w0.15: v1(7.996,53.477) 8.934,52.539 ; TP92.1@9.297,52.177 8.934,52.539 ; TP92.1@9.506,52.539 8.934,52.539 ; TP92.1@9.571,52.451 10.392,52.451 12.26,50.583 29.953,50.583 31.076,49.461 34.359,49.461 34.69,49.13 v1(34.706,49.13) ; v1(63.44,53.937) 63.516,53.937 63.869,54.291 65.637,54.291 67.435,52.493 73.861,52.493 74.635,53.267 74.635,56.884 75.546,57.795 v1(77.595,57.795)
P1.14/WAKE-HOST/UART1_DTR: J7.24 R16.1 R114.2 R138.2 S2.12 TP67.1 U12.6 | length 120.4
  L1 w0.15: v1(36.46,48.87) 36.46,52.39 39.508,55.438 R16.1@40.346,55.438 ; v1(50.58,45.459) S2.12@50.58,46.403 ; R138.2@50.583,44.785 v1@50.583,45.52 ; U12.6@64.718,33.834 65.82,33.834 66.509,33.145 67.193,33.145 R114.2@67.218,33.12 ; v1(82.81,46.11) 83.817,45.103 86.201,45.103 88.298,43.006 88.298,42.757 88.3,42.755 88.3,38.235 v1(87.227,37.162) ; v1(95.031,32.202) 96.953,32.202 J7.24@97.025,32.13
  L3 w0.15: v1(87.195,32.901) 87.894,32.202 v1(95.031,32.202)
  L4 w0.15: v1(65.843,33.8) 66.645,34.603 68.987,34.603 72.77,30.82 85.004,30.82 86.951,32.767 86.964,32.767 87.098,32.901 v1(87.195,32.901)
  L6 w0.15: v1(36.46,48.87) 39.06,48.87 39.4,49.209 46.85,49.209 v1@50.58,45.479 ; v1(50.58,45.459) 50.58,46.327 51.083,46.83 59.017,46.83 59.229,47.042 67.393,47.042 67.922,47.571 77.42,47.571 78.881,46.11 v1(82.81,46.11) ; v1(87.195,32.901) 88.076,32.901 88.422,33.247 88.422,36.841 88.101,37.162 v1(87.227,37.162) ; v1(95.031,32.202) 95.067,32.167 98.562,32.167 TP67.1@98.599,32.13
  other v1: 39.546,55.438
P2.00: J7.3 R181.1 TP46.1 | length 39.9
  L1 w0.15: R181.1@65.887,60.383 65.902,60.383 66.786,59.499 69.159,59.499 69.39,59.73 69.792,60.132 v1(69.792,60.189) ; J7.3@91.921,57.559 v1(91.921,58.717)
  L4 w0.15: v1(69.792,60.189) 70.117,60.514 71.06,60.514 71.279,60.295 71.819,60.295 72.294,60.771 72.528,61.004 73.309,61.004 74.292,61.988 75.629,61.988 76.429,61.189 77.694,61.189 78.701,62.196 81.17,62.196 82.564,60.802 84.284,60.802 85.059,61.577 85.929,61.577 86.704,60.802 87.411,60.802 88.092,61.483 89.154,61.483 90.17,60.468 90.17,57.76 90.57,57.359 91.015,57.359 91.188,57.532 91.188,59.665 91.276,59.753 91.674,59.753 91.921,59.506 v1(91.921,58.717)
  L6 w0.15: TP46.1@90.347,57.531 91.421,57.531 91.921,58.031 v1(91.921,58.717)
P2.00/QSPI_IO3: R181.2 U1.F2 U17.7 | length 20.7
  L1 w0.15: U1.F2@53.236,61.581 53.766,62.111 v1(54.991,62.111) ; R181.2@65.887,61.183 v1(65.888,61.773) U17.7@65.888,62.762
  L6 w0.15: v1(54.991,62.111) 56.168,62.111 57.414,60.865 57.55,60.865 57.663,60.751 58.803,60.751 59.062,61.011 65.25,61.011 65.338,61.099 65.338,64.149 65.426,64.237 65.8,64.237 65.888,64.149 v1(65.888,61.773)
P2.01: J7.4 R189.2 TP47.1 | length 40.4
  L1 w0.15: R189.2@67.165,60.383 67.165,59.951 67.318,59.799 68.722,59.799 69.572,60.649 69.572,61.322 v1(69.733,61.483) ; J7.4@97.025,57.499 J7.4@97.025,57.53 v1(97.025,58.701)
  L4 w0.15: v1(69.733,61.483) 70.786,62.535 70.786,62.825 71.769,63.809 84.146,63.809 84.486,64.149 91.433,64.149 93.401,62.181 93.401,59.515 93.683,59.233 96.493,59.233 v1(97.025,58.701)
  L6 w0.15: v1@96.956,58.632 v1(97.025,58.701) 97.025,57.999 97.593,57.431 TP47.1@98.695,57.431
P2.01/QSPI_CLK: R189.1 U1.F1 U17.6 | length 20.7
  L1 w0.15: U1.F1@54.336,61.581 54.347,61.57 v1(55.829,61.57) ; v1(67.158,61.773) U17.6@67.158,62.762 ; R189.1@67.165,61.183 v1@67.165,61.772
  L6 w0.15: v1(55.829,61.57) 55.899,61.57 57.525,59.943 65.659,59.943 66.754,61.038 66.754,63.952 66.841,64.039 67.1,64.039 67.187,63.952 67.187,61.803 v1(67.158,61.773)
P2.02: J7.5 R186.1 TP49.1 | length 40.1
  L1 w0.15: R186.1@68.435,60.383 68.882,60.383 69.254,60.755 69.254,62.165 v1(69.32,62.231) ; J7.5@91.921,55.019 v1(91.921,56.177)
  L4 w0.15: v1(69.32,62.231) 69.389,62.163 69.389,61.988 69.413,61.964 69.413,61.84 69.254,61.682 69.254,61.285 69.535,61.004 69.932,61.004 70.311,61.383 70.311,61.479 71.281,62.45 77.889,62.45 78.228,62.79 88.254,62.79 88.508,62.535 89.417,62.535 93.65,58.303 94.338,58.303 94.696,57.945 94.696,56.222 94.608,56.134 91.964,56.134 v1(91.921,56.177)
  L6 w0.15: TP49.1@90.347,54.991 91.421,54.991 91.921,55.491 v1(91.921,56.177)
P2.02/QSPI_IO0: R186.2 U1.D2 U17.5 | length 21.6
  L1 w0.15: U1.D2@53.236,59.381 52.711,59.906 52.711,60.874 52.848,61.011 v1(54.991,61.011) ; v1(68.428,61.773) U17.5@68.428,62.762 ; R186.2@68.435,61.183 v1@68.435,61.772
  L6 w0.15: v1(54.991,61.011) 55.965,61.011 56.488,60.488 56.488,59.601 56.868,59.221 66.29,59.221 68.428,61.359 v1(68.428,61.773)
P2.03: J7.6 R183.1 TP50.1 | length 39.8
  L1 w0.15: R183.1@67.165,58.109 67.18,58.109 67.365,57.924 67.365,57.909 67.48,57.794 67.533,57.794 67.746,57.581 68.259,57.581 68.504,57.826 v1(68.526,57.826) ; J7.6@97.025,54.99 97.079,55.044 97.079,56.15 v1(97.025,56.204) v1@97.025,56.176
  L4 w0.15: v1(68.526,57.826) 69.32,58.621 69.32,59.203 69.601,59.483 71.675,59.483 72.272,60.08 78.931,60.08 79.132,60.281 86.433,60.281 86.961,59.753 88.403,59.753 89.853,58.303 89.853,57.093 92.734,54.212 95.858,54.212 95.946,54.3 95.946,55.125 v1(97.025,56.204)
  L6 w0.15: v1(97.025,56.204) 97.025,56.176 97.025,55.56 97.594,54.991 TP50.1@98.546,54.991